# Allegro board LED_FIN.brd (continued)
## Routing (per net, layer and track width the routed paths; a pad name or vN(x,y) marks a point on that pad's centre or on a via; arc(x,y) is an arc through that point) (continued)
  BOTTOM w0.15: v1(81.25,316.8) v1(81.25,314.8) v1(81.25,312.8) v1(81.25,310.8) v1(81.25,308.8) v1(81.25,306.8) v1(81.25,304.8) v1(81.25,302.8) v1(81.25,300.8) v1(81.25,298.8) v1(81.25,296.8) v1(81.25,294.8) v1(81.25,292.8) v1(81.25,290.8) v1(81.25,288.8) v1(81.25,286.8) v1(81.25,284.8) v1(81.25,282.8) v1(81.25,280.8) v1(81.25,278.8) v1(81.25,276.8) v1(81.25,274.8) v1(81.25,272.8) v1(81.25,270.8) v1(81.25,268.8) v1(81.25,266.8) v1(81.25,264.8) v1(81.25,262.8) v1(81.25,260.8) v1(81.25,258.8) v1(81.25,256.8) v1(81.25,254.8) v1(81.25,252.8) v1(81.25,250.8) v1(81.25,248.8) v1(81.25,246.8) v1(81.25,244.8) v1(81.25,242.8) 80.55,242.1 v1(80.55,132.8) ; v1(80.55,128.8) v1(80.55,99.8)
COL_OUT_B99: length 244.7
  TOP w0.15: D5691.1 v1(79.25,242.8) ; D4641.1 v1(79.25,312.8) ; D4851.1 v1(79.25,298.8) ; D4701.1 v1(79.25,308.8) ; D5421.1 v1(79.25,260.8) ; D5121.1 v1(79.25,280.8) ; D5331.1 v1(79.25,266.8) ; D5271.1 v1(79.25,270.8) ; D5031.1 v1(79.25,286.8) ; D5091.1 v1(79.25,282.8) ; D5301.1 v1(79.25,268.8) ; D4611.1 v1(79.25,314.8) ; D5511.1 v1(79.25,254.8) ; D5601.1 v1(79.25,248.8) ; D5241.1 v1(79.25,272.8) ; D5151.1 v1(79.25,278.8) ; D5181.1 v1(79.25,276.8) ; D5661.1 v1(79.25,244.8) ; D4881.1 v1(79.25,296.8) ; D5451.1 v1(79.25,258.8) ; v1(78.55,99.8) R141.1 ; D4821.1 v1(79.25,300.8) ; D4731.1 v1(79.25,306.8) ; D5391.1 v1(79.25,262.8) ; D4791.1 v1(79.25,302.8) ; D5211.1 v1(79.25,274.8) ; D4761.1 v1(79.25,304.8) ; D5631.1 v1(79.25,246.8) ; D5361.1 v1(79.25,264.8) ; D5481.1 v1(79.25,256.8) ; D4671.1 v1(79.25,310.8) ; D5001.1 v1(79.25,288.8) ; D4911.1 v1(79.25,294.8) ; D5061.1 v1(79.25,284.8) ; D4971.1 v1(79.25,290.8) ; D5571.1 v1(79.25,250.8) ; D4941.1 v1(79.25,292.8) ; D5541.1 v1(79.25,252.8) ; D4581.1 v1(79.25,316.8)
  BOTTOM w0.15: v1(79.25,316.8) v1(79.25,314.8) v1(79.25,312.8) v1(79.25,310.8) v1(79.25,308.8) v1(79.25,306.8) v1(79.25,304.8) v1(79.25,302.8) v1(79.25,300.8) v1(79.25,298.8) v1(79.25,296.8) v1(79.25,294.8) v1(79.25,292.8) v1(79.25,290.8) v1(79.25,288.8) v1(79.25,286.8) v1(79.25,284.8) v1(79.25,282.8) v1(79.25,280.8) v1(79.25,278.8) v1(79.25,276.8) v1(79.25,274.8) v1(79.25,272.8) v1(79.25,270.8) v1(79.25,268.8) v1(79.25,266.8) v1(79.25,264.8) v1(79.25,262.8) v1(79.25,260.8) v1(79.25,258.8) v1(79.25,256.8) v1(79.25,254.8) v1(79.25,252.8) v1(79.25,250.8) v1(79.25,248.8) v1(79.25,246.8) v1(79.25,244.8) v1(79.25,242.8) 78.55,242.1 v1(78.55,99.8)
COL_OUT_B100: length 244.7
  TOP w0.15: D5570.1 v1(77.25,250.8) ; D5660.1 v1(77.25,244.8) ; D5240.1 v1(77.25,272.8) ; D5420.1 v1(77.25,260.8) ; D4730.1 v1(77.25,306.8) ; D5150.1 v1(77.25,278.8) ; D5690.1 v1(77.25,242.8) ; D5510.1 v1(77.25,254.8) ; D4790.1 v1(77.25,302.8) ; D5330.1 v1(77.25,266.8) ; D4760.1 v1(77.25,304.8) ; D5630.1 v1(77.25,246.8) ; D5540.1 v1(77.25,252.8) ; D4880.1 v1(77.25,296.8) ; D5030.1 v1(77.25,286.8) ; D4850.1 v1(77.25,298.8) ; v1(76.55,99.8) R140.1 ; D5600.1 v1(77.25,248.8) ; D5210.1 v1(77.25,274.8) ; D5450.1 v1(77.25,258.8) ; D4940.1 v1(77.25,292.8) ; D4670.1 v1(77.25,310.8) ; D5270.1 v1(77.25,270.8) ; D5300.1 v1(77.25,268.8) ; D5180.1 v1(77.25,276.8) ; D5360.1 v1(77.25,264.8) ; D4700.1 v1(77.25,308.8) ; D4970.1 v1(77.25,290.8) ; D4640.1 v1(77.25,312.8) ; D5120.1 v1(77.25,280.8) ; D4910.1 v1(77.25,294.8) ; D4820.1 v1(77.25,300.8) ; D5480.1 v1(77.25,256.8) ; D5060.1 v1(77.25,284.8) ; D4580.1 v1(77.25,316.8) ; D4610.1 v1(77.25,314.8) ; D5000.1 v1(77.25,288.8) ; D5390.1 v1(77.25,262.8) ; D5090.1 v1(77.25,282.8)
  BOTTOM w0.15: v1(77.25,316.8) v1(77.25,314.8) v1(77.25,312.8) v1(77.25,310.8) v1(77.25,308.8) v1(77.25,306.8) v1(77.25,304.8) v1(77.25,302.8) v1(77.25,300.8) v1(77.25,298.8) v1(77.25,296.8) v1(77.25,294.8) v1(77.25,292.8) v1(77.25,290.8) v1(77.25,288.8) v1(77.25,286.8) v1(77.25,284.8) v1(77.25,282.8) v1(77.25,280.8) v1(77.25,278.8) v1(77.25,276.8) v1(77.25,274.8) v1(77.25,272.8) v1(77.25,270.8) v1(77.25,268.8) v1(77.25,266.8) v1(77.25,264.8) v1(77.25,262.8) v1(77.25,260.8) v1(77.25,258.8) v1(77.25,256.8) v1(77.25,254.8) v1(77.25,252.8) v1(77.25,250.8) v1(77.25,248.8) v1(77.25,246.8) v1(77.25,244.8) v1(77.25,242.8) 76.55,242.1 v1(76.55,99.8)
COL_OUT_B101: length 244.7
  TOP w0.15: D4669.1 v1(75.25,310.8) ; D4699.1 v1(75.25,308.8) ; D5329.1 v1(75.25,266.8) ; D4969.1 v1(75.25,290.8) ; D5269.1 v1(75.25,270.8) ; D5599.1 v1(75.25,248.8) ; D5089.1 v1(75.25,282.8) ; D5239.1 v1(75.25,272.8) ; D4939.1 v1(75.25,292.8) ; D5629.1 v1(75.25,246.8) ; D4579.1 v1(75.25,316.8) ; D4999.1 v1(75.25,288.8) ; D4789.1 v1(75.25,302.8) ; D5179.1 v1(75.25,276.8) ; D5659.1 v1(75.25,244.8) ; D5419.1 v1(75.25,260.8) ; D5149.1 v1(75.25,278.8) ; D4729.1 v1(75.25,306.8) ; D4639.1 v1(75.25,312.8) ; D5569.1 v1(75.25,250.8) ; D4879.1 v1(75.25,296.8) ; D5359.1 v1(75.25,264.8) ; D5449.1 v1(75.25,258.8) ; D4609.1 v1(75.25,314.8) ; D5689.1 v1(75.25,242.8) ; D5539.1 v1(75.25,252.8) ; D5119.1 v1(75.25,280.8) ; D5389.1 v1(75.25,262.8) ; D4849.1 v1(75.25,298.8) ; D5059.1 v1(75.25,284.8) ; D4819.1 v1(75.25,300.8) ; D5479.1 v1(75.25,256.8) ; D5299.1 v1(75.25,268.8) ; D5209.1 v1(75.25,274.8) ; v1(74.55,99.8) R139.1 ; D5509.1 v1(75.25,254.8) ; D4909.1 v1(75.25,294.8) ; D4759.1 v1(75.25,304.8) ; D5029.1 v1(75.25,286.8)
  BOTTOM w0.15: v1(75.25,316.8) v1(75.25,314.8) v1(75.25,312.8) v1(75.25,310.8) v1(75.25,308.8) v1(75.25,306.8) v1(75.25,304.8) v1(75.25,302.8) v1(75.25,300.8) v1(75.25,298.8) v1(75.25,296.8) v1(75.25,294.8) v1(75.25,292.8) v1(75.25,290.8) v1(75.25,288.8) v1(75.25,286.8) v1(75.25,284.8) v1(75.25,282.8) v1(75.25,280.8) v1(75.25,278.8) v1(75.25,276.8) v1(75.25,274.8) v1(75.25,272.8) v1(75.25,270.8) v1(75.25,268.8) v1(75.25,266.8) v1(75.25,264.8) v1(75.25,262.8) v1(75.25,260.8) v1(75.25,258.8) v1(75.25,256.8) v1(75.25,254.8) v1(75.25,252.8) v1(75.25,250.8) v1(75.25,248.8) v1(75.25,246.8) v1(75.25,244.8) v1(75.25,242.8) 74.55,242.1 v1(74.55,99.8)
COL_OUT_B102: length 244.7
  TOP w0.15: D5178.1 v1(73.25,276.8) ; D5238.1 v1(73.25,272.8) ; D5628.1 v1(73.25,246.8) ; D5148.1 v1(73.25,278.8) ; D5478.1 v1(73.25,256.8) ; D4638.1 v1(73.25,312.8) ; D4938.1 v1(73.25,292.8) ; D5508.1 v1(73.25,254.8) ; D5538.1 v1(73.25,252.8) ; D5298.1 v1(73.25,268.8) ; D5328.1 v1(73.25,266.8) ; D4668.1 v1(73.25,310.8) ; D4698.1 v1(73.25,308.8) ; D5418.1 v1(73.25,260.8) ; D5028.1 v1(73.25,286.8) ; D4788.1 v1(73.25,302.8) ; D5568.1 v1(73.25,250.8) ; D5208.1 v1(73.25,274.8) ; D4728.1 v1(73.25,306.8) ; D4818.1 v1(73.25,300.8) ; D4758.1 v1(73.25,304.8) ; D4998.1 v1(73.25,288.8) ; D5268.1 v1(73.25,270.8) ; D4848.1 v1(73.25,298.8) ; v1(72.55,99.8) R138.1 ; D4908.1 v1(73.25,294.8) ; D4968.1 v1(73.25,290.8) ; D4608.1 v1(73.25,314.8) ; D5058.1 v1(73.25,284.8) ; D5448.1 v1(73.25,258.8) ; D5688.1 v1(73.25,242.8) ; D5598.1 v1(73.25,248.8) ; D5658.1 v1(73.25,244.8) ; D5118.1 v1(73.25,280.8) ; D5088.1 v1(73.25,282.8) ; D5358.1 v1(73.25,264.8) ; D5388.1 v1(73.25,262.8) ; D4878.1 v1(73.25,296.8) ; D4578.1 v1(73.25,316.8)
  BOTTOM w0.15: v1(72.55,99.8) 72.55,242.1 v1(73.25,242.8) v1(73.25,244.8) v1(73.25,246.8) v1(73.25,248.8) v1(73.25,250.8) v1(73.25,252.8) v1(73.25,254.8) v1(73.25,256.8) v1(73.25,258.8) v1(73.25,260.8) v1(73.25,262.8) v1(73.25,264.8) v1(73.25,266.8) v1(73.25,268.8) v1(73.25,270.8) v1(73.25,272.8) v1(73.25,274.8) v1(73.25,276.8) v1(73.25,278.8) v1(73.25,280.8) v1(73.25,282.8) v1(73.25,284.8) v1(73.25,286.8) v1(73.25,288.8) v1(73.25,290.8) v1(73.25,292.8) v1(73.25,294.8) v1(73.25,296.8) v1(73.25,298.8) v1(73.25,300.8) v1(73.25,302.8) v1(73.25,304.8) v1(73.25,306.8) v1(73.25,308.8) v1(73.25,310.8) v1(73.25,312.8) v1(73.25,314.8) v1(73.25,316.8)
COL_OUT_B103: length 244.7
  TOP w0.15: D5687.1 v1(71.25,242.8) ; D5567.1 v1(71.25,250.8) ; D5117.1 v1(71.25,280.8) ; D4667.1 v1(71.25,310.8) ; D5417.1 v1(71.25,260.8) ; D5087.1 v1(71.25,282.8) ; D5657.1 v1(71.25,244.8) ; D4607.1 v1(71.25,314.8) ; D5057.1 v1(71.25,284.8) ; D5027.1 v1(71.25,286.8) ; D4877.1 v1(71.25,296.8) ; D5267.1 v1(71.25,270.8) ; D4637.1 v1(71.25,312.8) ; D4967.1 v1(71.25,290.8) ; D5537.1 v1(71.25,252.8) ; v1(70.55,99.8) R137.1 ; D5447.1 v1(71.25,258.8) ; D4577.1 v1(71.25,316.8) ; D5147.1 v1(71.25,278.8) ; D5297.1 v1(71.25,268.8) ; D5477.1 v1(71.25,256.8) ; D5507.1 v1(71.25,254.8) ; D4997.1 v1(71.25,288.8) ; D5357.1 v1(71.25,264.8) ; D4727.1 v1(71.25,306.8) ; D4757.1 v1(71.25,304.8) ; D4907.1 v1(71.25,294.8) ; D4847.1 v1(71.25,298.8) ; D4697.1 v1(71.25,308.8) ; D4787.1 v1(71.25,302.8) ; D5237.1 v1(71.25,272.8) ; D4937.1 v1(71.25,292.8) ; D5207.1 v1(71.25,274.8) ; D4817.1 v1(71.25,300.8) ; D5327.1 v1(71.25,266.8) ; D5627.1 v1(71.25,246.8) ; D5387.1 v1(71.25,262.8) ; D5177.1 v1(71.25,276.8) ; D5597.1 v1(71.25,248.8)
  BOTTOM w0.15: v1(71.25,316.8) v1(71.25,314.8) v1(71.25,312.8) v1(71.25,310.8) v1(71.25,308.8) v1(71.25,306.8) v1(71.25,304.8) v1(71.25,302.8) v1(71.25,300.8) v1(71.25,298.8) v1(71.25,296.8) v1(71.25,294.8) v1(71.25,292.8) v1(71.25,290.8) v1(71.25,288.8) v1(71.25,286.8) v1(71.25,284.8) v1(71.25,282.8) v1(71.25,280.8) v1(71.25,278.8) v1(71.25,276.8) v1(71.25,274.8) v1(71.25,272.8) v1(71.25,270.8) v1(71.25,268.8) v1(71.25,266.8) v1(71.25,264.8) v1(71.25,262.8) v1(71.25,260.8) v1(71.25,258.8) v1(71.25,256.8) v1(71.25,254.8) v1(71.25,252.8) v1(71.25,250.8) v1(71.25,248.8) v1(71.25,246.8) v1(71.25,244.8) v1(71.25,242.8) 70.55,242.1 v1(70.55,99.8)
COL_OUT_B104: length 244.7
  TOP w0.15: D5086.1 v1(69.25,282.8) ; D5506.1 v1(69.25,254.8) ; D5206.1 v1(69.25,274.8) ; D4936.1 v1(69.25,292.8) ; D4876.1 v1(69.25,296.8) ; D4786.1 v1(69.25,302.8) ; v1(68.55,99.8) R136.1 ; D4996.1 v1(69.25,288.8) ; D5386.1 v1(69.25,262.8) ; D4576.1 v1(69.25,316.8) ; D4666.1 v1(69.25,310.8) ; D5446.1 v1(69.25,258.8) ; D4756.1 v1(69.25,304.8) ; D5356.1 v1(69.25,264.8) ; D5476.1 v1(69.25,256.8) ; D5656.1 v1(69.25,244.8) ; D5626.1 v1(69.25,246.8) ; D5566.1 v1(69.25,250.8) ; D5296.1 v1(69.25,268.8) ; D5116.1 v1(69.25,280.8) ; D5176.1 v1(69.25,276.8) ; D4966.1 v1(69.25,290.8) ; D5326.1 v1(69.25,266.8) ; D4726.1 v1(69.25,306.8) ; D4636.1 v1(69.25,312.8) ; D5536.1 v1(69.25,252.8) ; D5236.1 v1(69.25,272.8) ; D4846.1 v1(69.25,298.8) ; D5416.1 v1(69.25,260.8) ; D5146.1 v1(69.25,278.8) ; D5596.1 v1(69.25,248.8) ; D5686.1 v1(69.25,242.8) ; D5026.1 v1(69.25,286.8) ; D4906.1 v1(69.25,294.8) ; D5056.1 v1(69.25,284.8) ; D5266.1 v1(69.25,270.8) ; D4816.1 v1(69.25,300.8) ; D4606.1 v1(69.25,314.8) ; D4696.1 v1(69.25,308.8)
  BOTTOM w0.15: v1(69.25,316.8) v1(69.25,314.8) v1(69.25,312.8) v1(69.25,310.8) v1(69.25,308.8) v1(69.25,306.8) v1(69.25,304.8) v1(69.25,302.8) v1(69.25,300.8) v1(69.25,298.8) v1(69.25,296.8) v1(69.25,294.8) v1(69.25,292.8) v1(69.25,290.8) v1(69.25,288.8) v1(69.25,286.8) v1(69.25,284.8) v1(69.25,282.8) v1(69.25,280.8) v1(69.25,278.8) v1(69.25,276.8) v1(69.25,274.8) v1(69.25,272.8) v1(69.25,270.8) v1(69.25,268.8) v1(69.25,266.8) v1(69.25,264.8) v1(69.25,262.8) v1(69.25,260.8) v1(69.25,258.8) v1(69.25,256.8) v1(69.25,254.8) v1(69.25,252.8) v1(69.25,250.8) v1(69.25,248.8) v1(69.25,246.8) v1(69.25,244.8) v1(69.25,242.8) 68.55,242.1 v1(68.55,99.8)
COL_OUT_B105: length 244.7
  TOP w0.15: D5475.1 v1(67.25,256.8) ; D4875.1 v1(67.25,296.8) ; D5625.1 v1(67.25,246.8) ; D4785.1 v1(67.25,302.8) ; D4815.1 v1(67.25,300.8) ; D5445.1 v1(67.25,258.8) ; D5295.1 v1(67.25,268.8) ; D4665.1 v1(67.25,310.8) ; D5415.1 v1(67.25,260.8) ; D5685.1 v1(67.25,242.8) ; D4635.1 v1(67.25,312.8) ; D4965.1 v1(67.25,290.8) ; D5115.1 v1(67.25,280.8) ; v1(66.55,99.8) R135.1 ; D5235.1 v1(67.25,272.8) ; D5175.1 v1(67.25,276.8) ; D5505.1 v1(67.25,254.8) ; D5385.1 v1(67.25,262.8) ; D5595.1 v1(67.25,248.8) ; D4575.1 v1(67.25,316.8) ; D5085.1 v1(67.25,282.8) ; D4935.1 v1(67.25,292.8) ; D4725.1 v1(67.25,306.8) ; D5325.1 v1(67.25,266.8) ; D4695.1 v1(67.25,308.8) ; D5655.1 v1(67.25,244.8) ; D5025.1 v1(67.25,286.8) ; D4755.1 v1(67.25,304.8) ; D5565.1 v1(67.25,250.8) ; D4845.1 v1(67.25,298.8) ; D5055.1 v1(67.25,284.8) ; D5145.1 v1(67.25,278.8) ; D4995.1 v1(67.25,288.8) ; D5265.1 v1(67.25,270.8) ; D5535.1 v1(67.25,252.8) ; D4905.1 v1(67.25,294.8) ; D5205.1 v1(67.25,274.8) ; D4605.1 v1(67.25,314.8) ; D5355.1 v1(67.25,264.8)
  BOTTOM w0.15: v1(66.55,99.8) 66.55,242.1 v1(67.25,242.8) v1(67.25,244.8) v1(67.25,246.8) v1(67.25,248.8) v1(67.25,250.8) v1(67.25,252.8) v1(67.25,254.8) v1(67.25,256.8) v1(67.25,258.8) v1(67.25,260.8) v1(67.25,262.8) v1(67.25,264.8) v1(67.25,266.8) v1(67.25,268.8) v1(67.25,270.8) v1(67.25,272.8) v1(67.25,274.8) v1(67.25,276.8) v1(67.25,278.8) v1(67.25,280.8) v1(67.25,282.8) v1(67.25,284.8) v1(67.25,286.8) v1(67.25,288.8) v1(67.25,290.8) v1(67.25,292.8) v1(67.25,294.8) v1(67.25,296.8) v1(67.25,298.8) v1(67.25,300.8) v1(67.25,302.8) v1(67.25,304.8) v1(67.25,306.8) v1(67.25,308.8) v1(67.25,310.8) v1(67.25,312.8) v1(67.25,314.8) v1(67.25,316.8)
COL_OUT_B106: length 244.7
  TOP w0.15: D4904.1 v1(65.25,294.8) ; D5384.1 v1(65.25,262.8) ; D5084.1 v1(65.25,282.8) ; D4844.1 v1(65.25,298.8) ; D4814.1 v1(65.25,300.8) ; D4874.1 v1(65.25,296.8) ; D5594.1 v1(65.25,248.8) ; D5534.1 v1(65.25,252.8) ; D4964.1 v1(65.25,290.8) ; D4664.1 v1(65.25,310.8) ; D5684.1 v1(65.25,242.8) ; D4694.1 v1(65.25,308.8) ; D4754.1 v1(65.25,304.8) ; D5294.1 v1(65.25,268.8) ; D5354.1 v1(65.25,264.8) ; D4724.1 v1(65.25,306.8) ; D5414.1 v1(65.25,260.8) ; D5204.1 v1(65.25,274.8) ; D5324.1 v1(65.25,266.8) ; D4784.1 v1(65.25,302.8) ; D5054.1 v1(65.25,284.8) ; D5144.1 v1(65.25,278.8) ; D4994.1 v1(65.25,288.8) ; D5474.1 v1(65.25,256.8) ; D5504.1 v1(65.25,254.8) ; D5024.1 v1(65.25,286.8) ; D4934.1 v1(65.25,292.8) ; D5264.1 v1(65.25,270.8) ; D5174.1 v1(65.25,276.8) ; D4634.1 v1(65.25,312.8) ; D5234.1 v1(65.25,272.8) ; D4604.1 v1(65.25,314.8) ; D5114.1 v1(65.25,280.8) ; D5564.1 v1(65.25,250.8) ; D5444.1 v1(65.25,258.8) ; D5654.1 v1(65.25,244.8) ; D4574.1 v1(65.25,316.8) ; D5624.1 v1(65.25,246.8) ; v1(64.55,99.8) R134.1
  BOTTOM w0.15: v1(65.25,316.8) v1(65.25,314.8) v1(65.25,312.8) v1(65.25,310.8) v1(65.25,308.8) v1(65.25,306.8) v1(65.25,304.8) v1(65.25,302.8) v1(65.25,300.8) v1(65.25,298.8) v1(65.25,296.8) v1(65.25,294.8) v1(65.25,292.8) v1(65.25,290.8) v1(65.25,288.8) v1(65.25,286.8) v1(65.25,284.8) v1(65.25,282.8) v1(65.25,280.8) v1(65.25,278.8) v1(65.25,276.8) v1(65.25,274.8) v1(65.25,272.8) v1(65.25,270.8) v1(65.25,268.8) v1(65.25,266.8) v1(65.25,264.8) v1(65.25,262.8) v1(65.25,260.8) v1(65.25,258.8) v1(65.25,256.8) v1(65.25,254.8) v1(65.25,252.8) v1(65.25,250.8) v1(65.25,248.8) v1(65.25,246.8) v1(65.25,244.8) v1(65.25,242.8) 64.55,242.1 v1(64.55,99.8)
COL_OUT_B107: length 244.7
  TOP w0.15: D5293.1 v1(63.25,268.8) ; D5083.1 v1(63.25,282.8) ; D5473.1 v1(63.25,256.8) ; D5203.1 v1(63.25,274.8) ; D5113.1 v1(63.25,280.8) ; D5353.1 v1(63.25,264.8) ; D5143.1 v1(63.25,278.8) ; D5413.1 v1(63.25,260.8) ; D5023.1 v1(63.25,286.8) ; D5503.1 v1(63.25,254.8) ; D5593.1 v1(63.25,248.8) ; D5683.1 v1(63.25,242.8) ; D4603.1 v1(63.25,314.8) ; D5053.1 v1(63.25,284.8) ; D5533.1 v1(63.25,252.8) ; D4723.1 v1(63.25,306.8) ; D5383.1 v1(63.25,262.8) ; D4993.1 v1(63.25,288.8) ; D4783.1 v1(63.25,302.8) ; D4903.1 v1(63.25,294.8) ; D4873.1 v1(63.25,296.8) ; D4843.1 v1(63.25,298.8) ; D5623.1 v1(63.25,246.8) ; D4573.1 v1(63.25,316.8) ; D5233.1 v1(63.25,272.8) ; D4693.1 v1(63.25,308.8) ; D4933.1 v1(63.25,292.8) ; D5653.1 v1(63.25,244.8) ; v1(62.55,99.8) R133.1 ; D4663.1 v1(63.25,310.8) ; D4753.1 v1(63.25,304.8) ; D5443.1 v1(63.25,258.8) ; D4633.1 v1(63.25,312.8) ; D4813.1 v1(63.25,300.8) ; D4963.1 v1(63.25,290.8) ; D5323.1 v1(63.25,266.8) ; D5263.1 v1(63.25,270.8) ; D5563.1 v1(63.25,250.8) ; D5173.1 v1(63.25,276.8)
  BOTTOM w0.15: v1(63.25,316.8) v1(63.25,314.8) v1(63.25,312.8) v1(63.25,310.8) v1(63.25,308.8) v1(63.25,306.8) v1(63.25,304.8) v1(63.25,302.8) v1(63.25,300.8) v1(63.25,298.8) v1(63.25,296.8) v1(63.25,294.8) v1(63.25,292.8) v1(63.25,290.8) v1(63.25,288.8) v1(63.25,286.8) v1(63.25,284.8) v1(63.25,282.8) v1(63.25,280.8) v1(63.25,278.8) v1(63.25,276.8) v1(63.25,274.8) v1(63.25,272.8) v1(63.25,270.8) v1(63.25,268.8) v1(63.25,266.8) v1(63.25,264.8) v1(63.25,262.8) v1(63.25,260.8) v1(63.25,258.8) v1(63.25,256.8) v1(63.25,254.8) v1(63.25,252.8) v1(63.25,250.8) v1(63.25,248.8) v1(63.25,246.8) v1(63.25,244.8) v1(63.25,242.8) 62.55,242.1 v1(62.55,99.8)
COL_OUT_B108: length 244.7
  TOP w0.15: D4992.1 v1(61.25,288.8) ; D4572.1 v1(61.25,316.8) ; D5442.1 v1(61.25,258.8) ; D5562.1 v1(61.25,250.8) ; v1(60.55,99.8) R132.1 ; D4632.1 v1(61.25,312.8) ; D4902.1 v1(61.25,294.8) ; D5322.1 v1(61.25,266.8) ; D5412.1 v1(61.25,260.8) ; D4782.1 v1(61.25,302.8) ; D5592.1 v1(61.25,248.8) ; D5232.1 v1(61.25,272.8) ; D4872.1 v1(61.25,296.8) ; D5172.1 v1(61.25,276.8) ; D4842.1 v1(61.25,298.8) ; D5622.1 v1(61.25,246.8) ; D4692.1 v1(61.25,308.8) ; D4662.1 v1(61.25,310.8) ; D5352.1 v1(61.25,264.8) ; D5112.1 v1(61.25,280.8) ; D5082.1 v1(61.25,282.8) ; D5142.1 v1(61.25,278.8) ; D4932.1 v1(61.25,292.8) ; D5052.1 v1(61.25,284.8) ; D4602.1 v1(61.25,314.8) ; D5202.1 v1(61.25,274.8) ; D5682.1 v1(61.25,242.8) ; D4722.1 v1(61.25,306.8) ; D5502.1 v1(61.25,254.8) ; D5292.1 v1(61.25,268.8) ; D5022.1 v1(61.25,286.8) ; D5262.1 v1(61.25,270.8) ; D5382.1 v1(61.25,262.8) ; D5472.1 v1(61.25,256.8) ; D4962.1 v1(61.25,290.8) ; D5652.1 v1(61.25,244.8) ; D5532.1 v1(61.25,252.8) ; D4752.1 v1(61.25,304.8) ; D4812.1 v1(61.25,300.8)
  BOTTOM w0.15: v1(61.25,316.8) v1(61.25,314.8) v1(61.25,312.8) v1(61.25,310.8) v1(61.25,308.8) v1(61.25,306.8) v1(61.25,304.8) v1(61.25,302.8) v1(61.25,300.8) v1(61.25,298.8) v1(61.25,296.8) v1(61.25,294.8) v1(61.25,292.8) v1(61.25,290.8) v1(61.25,288.8) v1(61.25,286.8) v1(61.25,284.8) v1(61.25,282.8) v1(61.25,280.8) v1(61.25,278.8) v1(61.25,276.8) v1(61.25,274.8) v1(61.25,272.8) v1(61.25,270.8) v1(61.25,268.8) v1(61.25,266.8) v1(61.25,264.8) v1(61.25,262.8) v1(61.25,260.8) v1(61.25,258.8) v1(61.25,256.8) v1(61.25,254.8) v1(61.25,252.8) v1(61.25,250.8) v1(61.25,248.8) v1(61.25,246.8) v1(61.25,244.8) v1(61.25,242.8) 60.55,242.1 v1(60.55,99.8)
COL_OUT_B109: length 244.7
  TOP w0.15: D5351.1 v1(59.25,264.8) ; D5081.1 v1(59.25,282.8) ; D5231.1 v1(59.25,272.8) ; D5171.1 v1(59.25,276.8) ; D4991.1 v1(59.25,288.8) ; D5261.1 v1(59.25,270.8) ; D5201.1 v1(59.25,274.8) ; D4721.1 v1(59.25,306.8) ; D4931.1 v1(59.25,292.8) ; D4871.1 v1(59.25,296.8) ; D4661.1 v1(59.25,310.8) ; D5591.1 v1(59.25,248.8) ; D5411.1 v1(59.25,260.8) ; D4811.1 v1(59.25,300.8) ; v1(58.55,99.8) R131.1 ; D5471.1 v1(59.25,256.8) ; D5651.1 v1(59.25,244.8) ; D4601.1 v1(59.25,314.8) ; D5441.1 v1(59.25,258.8) ; D5051.1 v1(59.25,284.8) ; D5321.1 v1(59.25,266.8) ; D5561.1 v1(59.25,250.8) ; D4691.1 v1(59.25,308.8) ; D5621.1 v1(59.25,246.8) ; D4571.1 v1(59.25,316.8) ; D4841.1 v1(59.25,298.8) ; D4751.1 v1(59.25,304.8) ; D4901.1 v1(59.25,294.8) ; D4961.1 v1(59.25,290.8) ; D4631.1 v1(59.25,312.8) ; D5291.1 v1(59.25,268.8) ; D5531.1 v1(59.25,252.8) ; D5681.1 v1(59.25,242.8) ; D5501.1 v1(59.25,254.8) ; D5381.1 v1(59.25,262.8) ; D5021.1 v1(59.25,286.8) ; D4781.1 v1(59.25,302.8) ; D5111.1 v1(59.25,280.8) ; D5141.1 v1(59.25,278.8)
  BOTTOM w0.15: v1(59.25,316.8) v1(59.25,314.8) v1(59.25,312.8) v1(59.25,310.8) v1(59.25,308.8) v1(59.25,306.8) v1(59.25,304.8) v1(59.25,302.8) v1(59.25,300.8) v1(59.25,298.8) v1(59.25,296.8) v1(59.25,294.8) v1(59.25,292.8) v1(59.25,290.8) v1(59.25,288.8) v1(59.25,286.8) v1(59.25,284.8) v1(59.25,282.8) v1(59.25,280.8) v1(59.25,278.8) v1(59.25,276.8) v1(59.25,274.8) v1(59.25,272.8) v1(59.25,270.8) v1(59.25,268.8) v1(59.25,266.8) v1(59.25,264.8) v1(59.25,262.8) v1(59.25,260.8) v1(59.25,258.8) v1(59.25,256.8) v1(59.25,254.8) v1(59.25,252.8) v1(59.25,250.8) v1(59.25,248.8) v1(59.25,246.8) v1(59.25,244.8) v1(59.25,242.8) 58.55,242.1 v1(58.55,99.8)
COL_OUT_B110: length 244.7
  TOP w0.15: D5200.1 v1(57.25,274.8) ; D5650.1 v1(57.25,244.8) ; D4690.1 v1(57.25,308.8) ; D5350.1 v1(57.25,264.8) ; D5170.1 v1(57.25,276.8) ; D4720.1 v1(57.25,306.8) ; D5530.1 v1(57.25,252.8) ; D5230.1 v1(57.25,272.8) ; D5620.1 v1(57.25,246.8) ; D4810.1 v1(57.25,300.8) ; D5110.1 v1(57.25,280.8) ; D4990.1 v1(57.25,288.8) ; D5050.1 v1(57.25,284.8) ; D4870.1 v1(57.25,296.8) ; D4600.1 v1(57.25,314.8) ; D4750.1 v1(57.25,304.8) ; D5020.1 v1(57.25,286.8) ; D4900.1 v1(57.25,294.8) ; D5680.1 v1(57.25,242.8) ; D5410.1 v1(57.25,260.8) ; D4660.1 v1(57.25,310.8) ; D5500.1 v1(57.25,254.8) ; D4960.1 v1(57.25,290.8) ; D5140.1 v1(57.25,278.8) ; D5260.1 v1(57.25,270.8) ; D4630.1 v1(57.25,312.8) ; D5320.1 v1(57.25,266.8) ; D5440.1 v1(57.25,258.8) ; D4840.1 v1(57.25,298.8) ; D5080.1 v1(57.25,282.8) ; D5590.1 v1(57.25,248.8) ; v1(56.55,99.8) R130.1 ; D5470.1 v1(57.25,256.8) ; D4780.1 v1(57.25,302.8) ; D5290.1 v1(57.25,268.8) ; D4930.1 v1(57.25,292.8) ; D5560.1 v1(57.25,250.8) ; D5380.1 v1(57.25,262.8) ; D4570.1 v1(57.25,316.8)
  BOTTOM w0.15: v1(56.55,99.8) 56.55,242.1 v1(57.25,242.8) v1(57.25,244.8) v1(57.25,246.8) v1(57.25,248.8) v1(57.25,250.8) v1(57.25,252.8) v1(57.25,254.8) v1(57.25,256.8) v1(57.25,258.8) v1(57.25,260.8) v1(57.25,262.8) v1(57.25,264.8) v1(57.25,266.8) v1(57.25,268.8) v1(57.25,270.8) v1(57.25,272.8) v1(57.25,274.8) v1(57.25,276.8) v1(57.25,278.8) v1(57.25,280.8) v1(57.25,282.8) v1(57.25,284.8) v1(57.25,286.8) v1(57.25,288.8) v1(57.25,290.8) v1(57.25,292.8) v1(57.25,294.8) v1(57.25,296.8) v1(57.25,298.8) v1(57.25,300.8) v1(57.25,302.8) v1(57.25,304.8) v1(57.25,306.8) v1(57.25,308.8) v1(57.25,310.8) v1(57.25,312.8) v1(57.25,314.8) v1(57.25,316.8)
COL_OUT_B111: length 244.7
  TOP w0.15: D4989.1 v1(55.25,288.8) ; D4929.1 v1(55.25,292.8) ; D5409.1 v1(55.25,260.8) ; D5319.1 v1(55.25,266.8) ; D5439.1 v1(55.25,258.8) ; D5049.1 v1(55.25,284.8) ; D5619.1 v1(55.25,246.8) ; D4719.1 v1(55.25,306.8) ; D5019.1 v1(55.25,286.8) ; D5649.1 v1(55.25,244.8) ; v1(54.55,99.8) R129.1 ; D4899.1 v1(55.25,294.8) ; D4659.1 v1(55.25,310.8) ; D5589.1 v1(55.25,248.8) ; D4689.1 v1(55.25,308.8) ; D4629.1 v1(55.25,312.8) ; D5199.1 v1(55.25,274.8) ; D5469.1 v1(55.25,256.8) ; D4869.1 v1(55.25,296.8) ; D4749.1 v1(55.25,304.8) ; D4839.1 v1(55.25,298.8) ; D5379.1 v1(55.25,262.8) ; D4779.1 v1(55.25,302.8) ; D5169.1 v1(55.25,276.8) ; D5289.1 v1(55.25,268.8) ; D5229.1 v1(55.25,272.8) ; D5349.1 v1(55.25,264.8) ; D5259.1 v1(55.25,270.8) ; D5529.1 v1(55.25,252.8) ; D5079.1 v1(55.25,282.8) ; D5559.1 v1(55.25,250.8) ; D4569.1 v1(55.25,316.8) ; D4959.1 v1(55.25,290.8) ; D5139.1 v1(55.25,278.8) ; D5679.1 v1(55.25,242.8) ; D4809.1 v1(55.25,300.8) ; D5499.1 v1(55.25,254.8) ; D5109.1 v1(55.25,280.8) ; D4599.1 v1(55.25,314.8)
  BOTTOM w0.15: v1(54.55,99.8) 54.55,242.1 v1(55.25,242.8) v1(55.25,244.8) v1(55.25,246.8) v1(55.25,248.8) v1(55.25,250.8) v1(55.25,252.8) v1(55.25,254.8) v1(55.25,256.8) v1(55.25,258.8) v1(55.25,260.8) v1(55.25,262.8) v1(55.25,264.8) v1(55.25,266.8) v1(55.25,268.8) v1(55.25,270.8) v1(55.25,272.8) v1(55.25,274.8) v1(55.25,276.8) v1(55.25,278.8) v1(55.25,280.8) v1(55.25,282.8) v1(55.25,284.8) v1(55.25,286.8) v1(55.25,288.8) v1(55.25,290.8) v1(55.25,292.8) v1(55.25,294.8) v1(55.25,296.8) v1(55.25,298.8) v1(55.25,300.8) v1(55.25,302.8) v1(55.25,304.8) v1(55.25,306.8) v1(55.25,308.8) v1(55.25,310.8) v1(55.25,312.8) v1(55.25,314.8) v1(55.25,316.8)
COL_OUT_B112: length 244.7
  TOP w0.15: D4778.1 v1(53.25,302.8) ; D5498.1 v1(53.25,254.8) ; D5078.1 v1(53.25,282.8) ; D5528.1 v1(53.25,252.8) ; D5348.1 v1(53.25,264.8) ; D5168.1 v1(53.25,276.8) ; D5468.1 v1(53.25,256.8) ; D4838.1 v1(53.25,298.8) ; D4568.1 v1(53.25,316.8) ; D4868.1 v1(53.25,296.8) ; D4988.1 v1(53.25,288.8) ; D5438.1 v1(53.25,258.8) ; D5198.1 v1(53.25,274.8) ; D5258.1 v1(53.25,270.8) ; v1(52.55,99.8) R128.1 ; D5018.1 v1(53.25,286.8) ; D4658.1 v1(53.25,310.8) ; D5678.1 v1(53.25,242.8) ; D5408.1 v1(53.25,260.8) ; D4808.1 v1(53.25,300.8) ; D5108.1 v1(53.25,280.8) ; D4898.1 v1(53.25,294.8) ; D5138.1 v1(53.25,278.8) ; D5648.1 v1(53.25,244.8) ; D5288.1 v1(53.25,268.8) ; D4748.1 v1(53.25,304.8) ; D5228.1 v1(53.25,272.8) ; D5378.1 v1(53.25,262.8) ; D4928.1 v1(53.25,292.8) ; D4718.1 v1(53.25,306.8) ; D5048.1 v1(53.25,284.8) ; D4598.1 v1(53.25,314.8) ; D5558.1 v1(53.25,250.8) ; D4958.1 v1(53.25,290.8) ; D5588.1 v1(53.25,248.8) ; D5318.1 v1(53.25,266.8) ; D5618.1 v1(53.25,246.8) ; D4628.1 v1(53.25,312.8) ; D4688.1 v1(53.25,308.8)
  BOTTOM w0.15: v1(53.25,316.8) v1(53.25,314.8) v1(53.25,312.8) v1(53.25,310.8) v1(53.25,308.8) v1(53.25,306.8) v1(53.25,304.8) v1(53.25,302.8) v1(53.25,300.8) v1(53.25,298.8) v1(53.25,296.8) v1(53.25,294.8) v1(53.25,292.8) v1(53.25,290.8) v1(53.25,288.8) v1(53.25,286.8) v1(53.25,284.8) v1(53.25,282.8) v1(53.25,280.8) v1(53.25,278.8) v1(53.25,276.8) v1(53.25,274.8) v1(53.25,272.8) v1(53.25,270.8) v1(53.25,268.8) v1(53.25,266.8) v1(53.25,264.8) v1(53.25,262.8) v1(53.25,260.8) v1(53.25,258.8) v1(53.25,256.8) v1(53.25,254.8) v1(53.25,252.8) v1(53.25,250.8) v1(53.25,248.8) v1(53.25,246.8) v1(53.25,244.8) v1(53.25,242.8) 52.55,242.1 v1(52.55,99.8)
